# Altium PCB LimeSDR-Micro_1v1.PcbDoc (part 2 of 9) (continued)
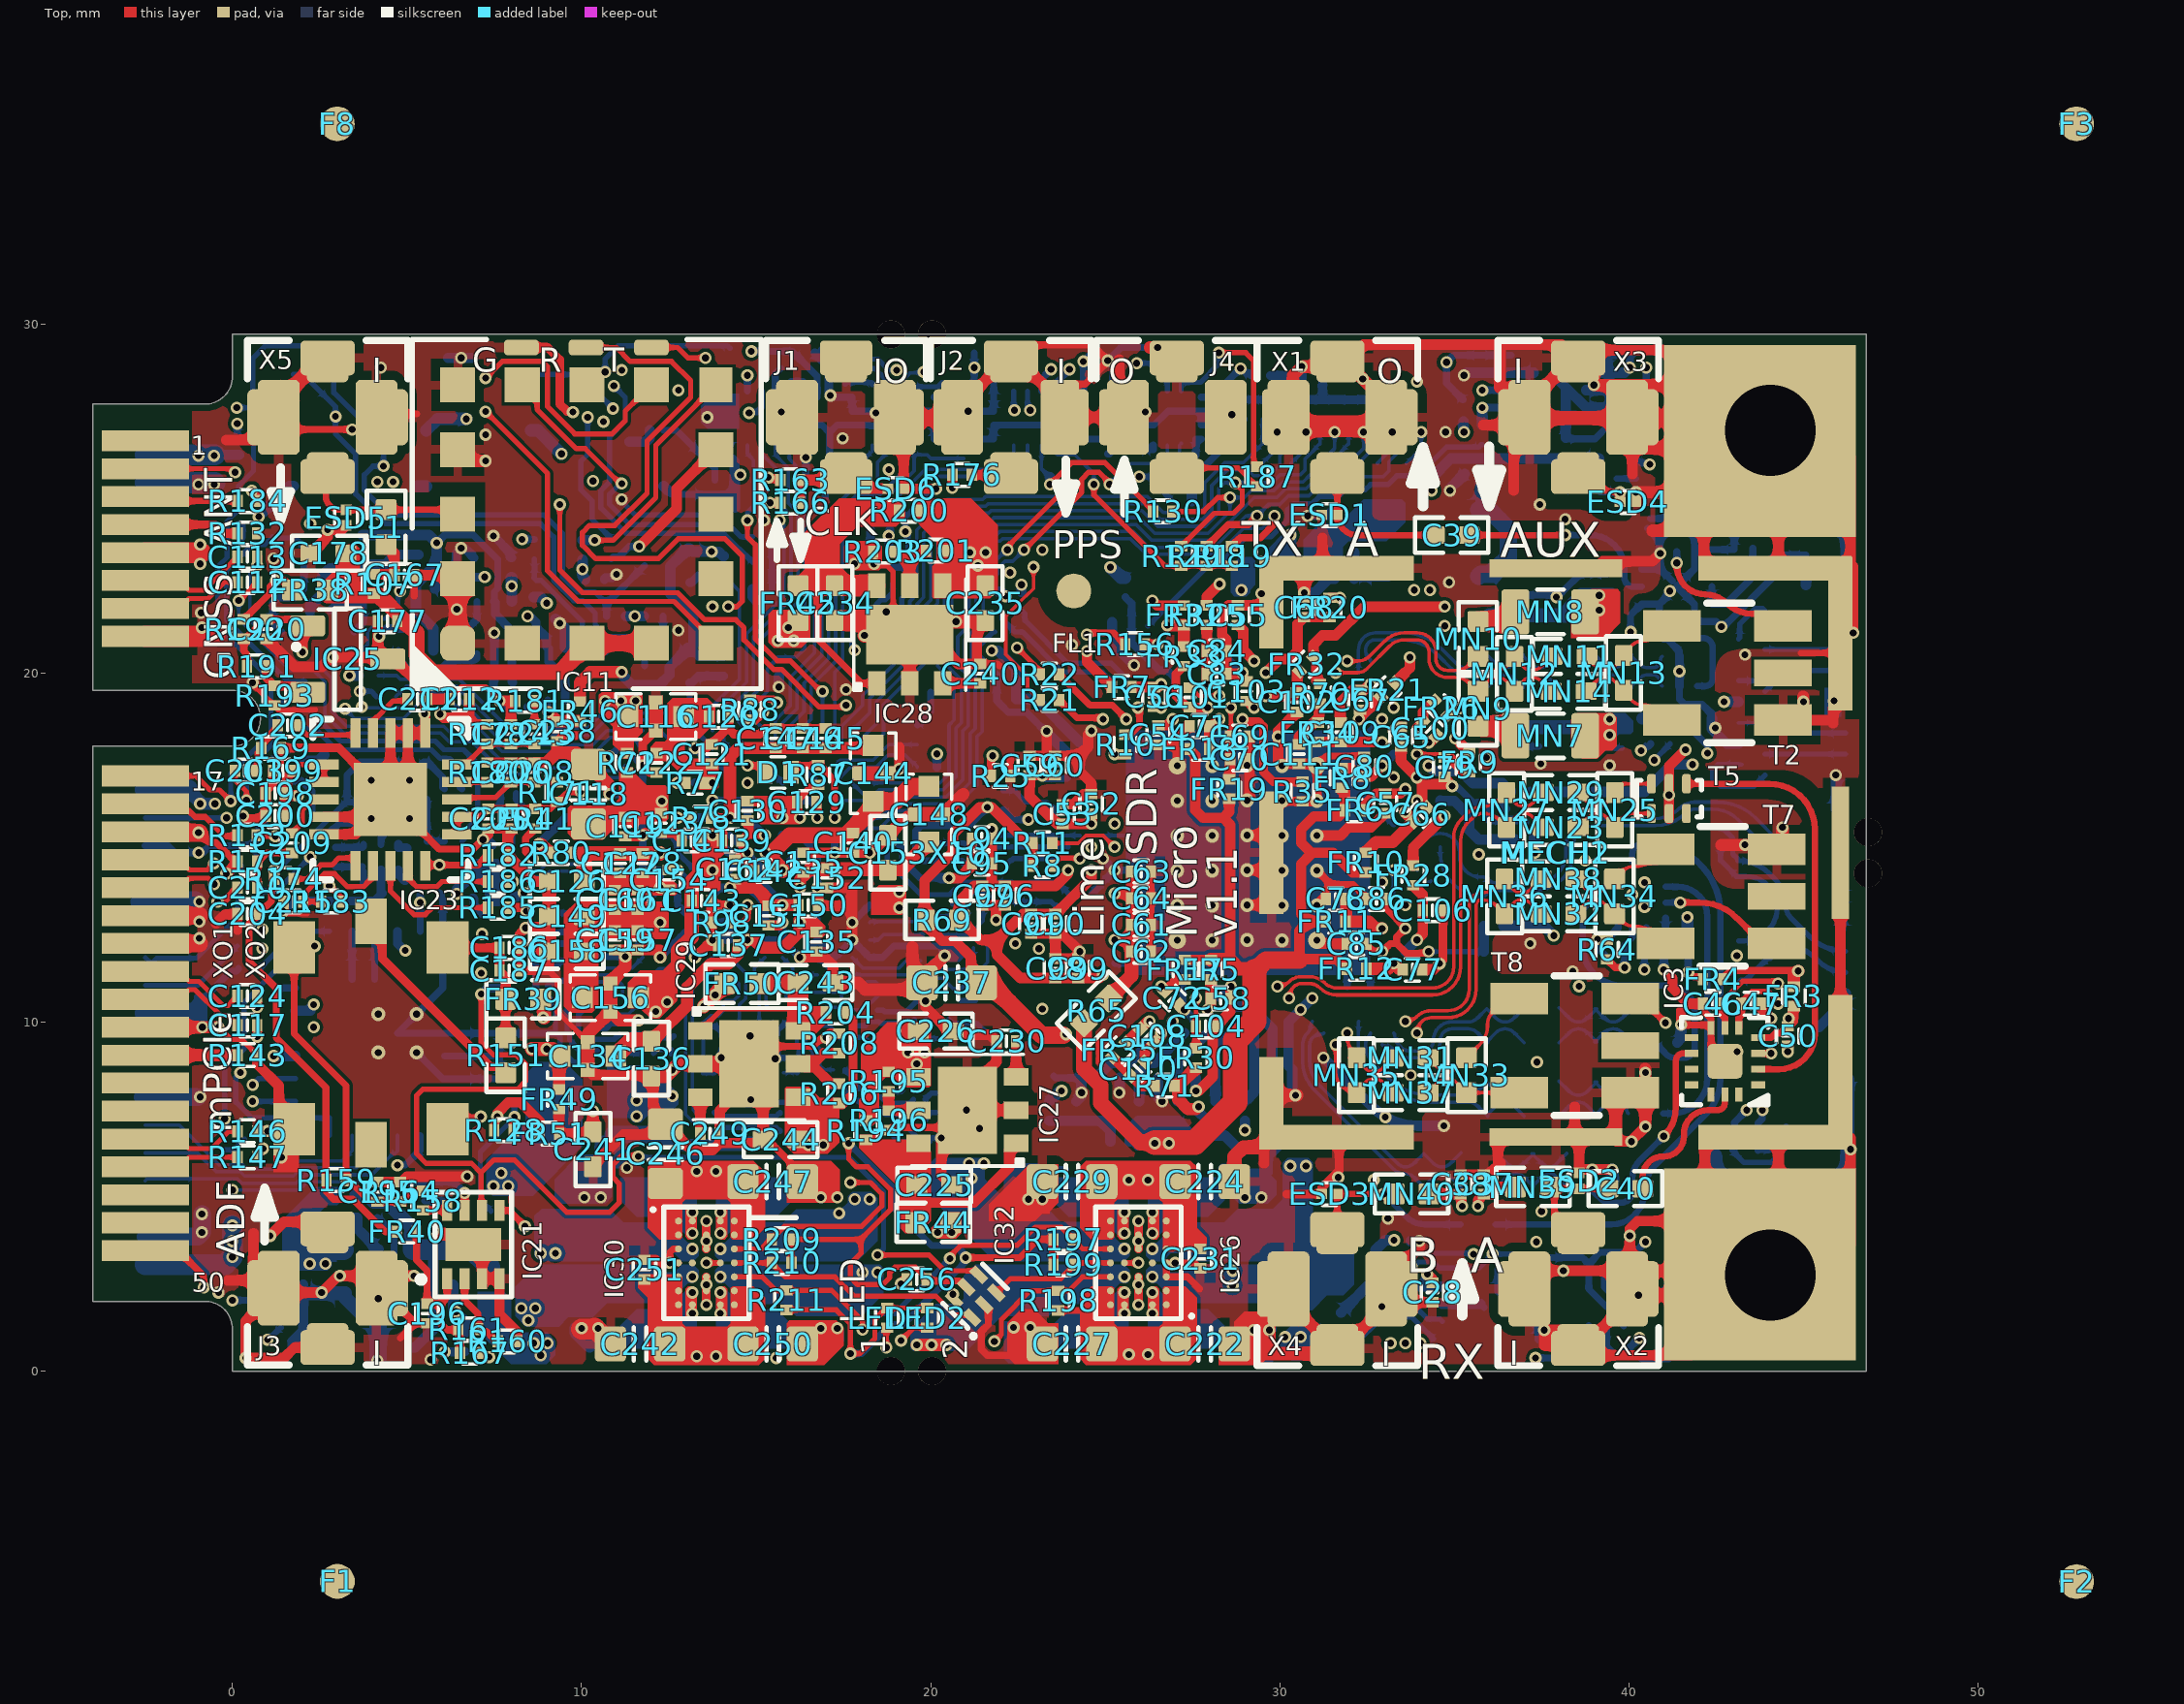
[diagram p0: Top view]
## Part data (continued)
C118 C223 C228 C232 C233 C245 C248 C252 C253: library part Cap_0603, Capacitance=47uF, Case/Package=0603, Case Code (Metric)=1608, Dielectric=X5R, Manufacturer=Murata, Manufacturer Part Number 1=GRM188R60J476ME15D, Max Operating Temperature=85°C, Min Operating Temperature=-55°C, Supplier Part Number 1=490-13247-1-ND, Tolerance=20%, Voltage Rating=6.3V, Case Code (Imperial)=0603, ComponentLink1Description=http://search.murata.co.jp/Ceramy/image/img/A01X/G101/ENG/GRM188R60J476ME15-01.pdf?src-supplier=Digi-Key, ComponentLink1URL=http://search.murata.co.jp/Ceramy/image/img/A01X/G101/ENG/GRM188R60J476ME15-01.pdf?src-supplier=Digi-Key, ComponentLink2Description=https://www.murata.com/~/media/webrenewal/support/library/catalog/products/capacitor/mlcc/c02e.ashx?la=en-us&src-supplier=Digi-Key, ComponentLink2URL=https://www.murata.com/~/media/webrenewal/support/library/catalog/products/capacitor/mlcc/c02e.ashx?la=en-us&src-supplier=Digi-Key, Length=0.063inch, Mount="Surface Mount", Packaging="Tape and Reel", Part Description="47 µF ±20% 6.3V Ceramic Capacitor X5R 0603 (1608 Metric)", Pricing 1="1=0,45000, 10=0,31900, 50=0,24120, 100=0,21000, 500=0,15556, 1000=0,13223 (USD)", RoHS=Yes, RoHS Compliant=Yes, Stock 1=731453, Supplier 1=Digi-Key, Thickness=0.039inch, Voltage Rating (DC)=6.3V, Width=0.031inch
C119 C121 C122 C129 C130 C137 C139 C140 C141 C142 C143 C146 C147 C154 C155 C159 C160 C161 C162: library part Cap_0402, Capacitance=4.7uF, Case/Package=344Case, Dielectric=1537DielectricType, Manufacturer=Murata, Manufacturer Part Number 1=GRM035R60J475ME15J, Max Operating Temperature=85°C, Min Operating Temperature=-55°C, Supplier Part Number 1=490-GRM035R60J475ME15JCT-ND, Tolerance=20%, Voltage Rating=6.3V, ComponentLink1Description=https://datasheet.octopart.com/GRM035R60J475ME15J-Murata-datasheet-165579666.pdf?src-supplier=TME, ComponentLink1URL=https://datasheet.octopart.com/GRM035R60J475ME15J-Murata-datasheet-165579666.pdf?src-supplier=TME, Height=550um, Length=600um, Material=4241ConductorMaterial, Part Description="4.7 µF ±20% 6.3V Ceramic Capacitor X5R 0201 (0603 Metric)", Pricing 1="1=0,28, 10=0,183, 50=0,1154, 100=0,0923, 500=0,06668, 1000=0,05899, 2500=0,05642, 5000=0,05129 (USD)", RoHS=Yes, RoHS Compliant=Yes, Stock 1=92210, Supplier 1=Digi-Key, Thickness=500um, Voltage Rating (DC)=6.3V, Width=300um
C120 C135 C145 C152 C157: library part Cap_0402, Capacitance=2.2uF, Case/Package=0201, Case Code (Metric)=0603, Dielectric=X5R, Manufacturer=Murata, Manufacturer Part Number 1=GRM033R60J225ME47D, Max Operating Temperature=85°C, Min Operating Temperature=-55°C, Supplier Part Number 1=490-13225-1-ND, Tolerance=20%, Voltage Rating=6.3V, Case Code (Imperial)=0201, ComponentLink1Description=https://datasheet.octopart.com/GRM033R60J225ME47D-Murata-datasheet-96971104.pdf?src-supplier=Future+Electronics, ComponentLink1URL=https://datasheet.octopart.com/GRM033R60J225ME47D-Murata-datasheet-96971104.pdf?src-supplier=Future+Electronics, ComponentLink2Description=http://search.murata.co.jp/Ceramy/image/img/A01X/G101/ENG/GRM033R60J225ME47-01.pdf?src-supplier=Digi-Key, ComponentLink2URL=http://search.murata.co.jp/Ceramy/image/img/A01X/G101/ENG/GRM033R60J225ME47-01.pdf?src-supplier=Digi-Key, ComponentLink3Description=https://datasheet.octopart.com/GRM033R60J225ME47D-Murata-datasheet-165579666.pdf?src-supplier=TME, ComponentLink3URL=https://datasheet.octopart.com/GRM033R60J225ME47D-Murata-datasheet-165579666.pdf?src-supplier=TME, Height=390um, Length=0.024inch, Material=Ceramic, Mount="Surface Mount", Packaging="Cut Tape", Part Description="CAP CER 2.2UF 6.3V X5R 0201", Pricing 1="1=0,19, 10=0,121, 50=0,0764, 100=0,0612, 500=0,04418, 1000=0,03909, 2500=0,03739, 5000=0,03399 (USD)", RoHS=Yes, RoHS Compliant=Yes, Series=GRM, Stock 1=8554536, Supplier 1=Digi-Key, Thickness=0.015inch, Voltage Rating (DC)=6.3V, Width=0.012inch
C123: library part Cap_0402, Manufacturer=Murata, Manufacturer Part Number 1=GRM033R71C332KA88D, Supplier Part Number 1=490-3191-1-ND, ComponentLink1Description=https://datasheet.ciiva.com/18699/grm033r61c333ke84-01-18699265.pdf?src-supplier=Digi-Key, ComponentLink1URL=https://datasheet.ciiva.com/18699/grm033r61c333ke84-01-18699265.pdf?src-supplier=Digi-Key, ComponentLink2Description=https://datasheet.ciiva.com/24223/c02e-24223974.pdf?src-supplier=Mouser, ComponentLink2URL=https://datasheet.ciiva.com/24223/c02e-24223974.pdf?src-supplier=Mouser, ComponentLink3Description=https://datasheet.ciiva.com/18184/getdatasheetpartid-467171-18184093.pdf?src-supplier=Verical, ComponentLink3URL=https://datasheet.ciiva.com/18184/getdatasheetpartid-467171-18184093.pdf?src-supplier=Verical, ComponentLink4Description=https://datasheet.ciiva.com/129/grm033r71c332ka88-01-129900.pdf?src-supplier=Digikey, ComponentLink4URL=https://datasheet.ciiva.com/129/grm033r71c332ka88-01-129900.pdf?src-supplier=Digikey, ComponentLink5Description=https://datasheet.ciiva.com/25788/cl03a104mp3nnnc-25788272.pdf?src-supplier=Digi-Key, ComponentLink5URL=https://datasheet.ciiva.com/25788/cl03a104mp3nnnc-25788272.pdf?src-supplier=Digi-Key, ComponentLink6Description=https://datasheet.ciiva.com/129/grm033r71c332ka88-01-129901.pdf?src-supplier=Digikey, ComponentLink6URL=https://datasheet.ciiva.com/129/grm033r71c332ka88-01-129901.pdf?src-supplier=Digikey, ComponentLink7Description=https://datasheet.ciiva.com/129/grm033r71c332ka88-01-129902.pdf?src-supplier=Digikey, ComponentLink7URL=https://datasheet.ciiva.com/129/grm033r71c332ka88-01-129902.pdf?src-supplier=Digikey, ComponentLink8Description=https://datasheet.ciiva.com/11620/product-11620449.pdf?src-supplier=Avnet, ComponentLink8URL=https://datasheet.ciiva.com/11620/product-11620449.pdf?src-supplier=Avnet, Lead Free=5697LeadFree, Part Description="3300 pF ±10% 16V Ceramic Capacitor X7R 0201 (0603 Metric)", Pricing 1="1=0,1, 10=0,02, 50=0,0118, 100=0,0091, 500=0,00684, 1000=0,00538, 2500=0,00489, 5000=0,0045 (USD)", RoHS=Yes, Stock 1=176450, Supplier 1=Digikey
C126 C136 C149 C153 C158: library part Cap_0603, Manufacturer=Murata, Manufacturer Part Number 1=GRM155R61A106ME11D, Supplier Part Number 1=490-GRM155R61A106ME11DCT-ND, ComponentLink1Description=http://search.murata.co.jp/Ceramy/image/img/A01X/G101/ENG/GRM188R61C106MAAL-01.pdf?src-supplier=Digi-Key, ComponentLink1URL=http://search.murata.co.jp/Ceramy/image/img/A01X/G101/ENG/GRM188R61C106MAAL-01.pdf?src-supplier=Digi-Key, ComponentLink2Description=https://search.murata.co.jp/Ceramy/image/img/A01X/G101/ENG/GRM188R61C106MAAL-01.pdf?src-supplier=Digi-Key, ComponentLink2URL=https://search.murata.co.jp/Ceramy/image/img/A01X/G101/ENG/GRM188R61C106MAAL-01.pdf?src-supplier=Digi-Key, ComponentLink3Description=http://search.murata.co.jp/Ceramy/image/img/A01X/partnumbering_e_01.pdf?src-supplier=Digi-Key, ComponentLink3URL=http://search.murata.co.jp/Ceramy/image/img/A01X/partnumbering_e_01.pdf?src-supplier=Digi-Key, ComponentLink4Description=http://www.farnell.com/datasheets/1872210.pdf?src-supplier=Farnell, ComponentLink4URL=http://www.farnell.com/datasheets/1872210.pdf?src-supplier=Farnell, ComponentLink5Description=http://www.mouser.com/ds/2/281/c02e-2905.pdf?src-supplier=Mouser, ComponentLink5URL=http://www.mouser.com/ds/2/281/c02e-2905.pdf?src-supplier=Mouser, ComponentLink6Description=http://www.farnell.com/datasheets/1872210.pdf?src-supplier=Newark, ComponentLink6URL=http://www.farnell.com/datasheets/1872210.pdf?src-supplier=Newark, ComponentLink7Description=http://www.farnell.com/datasheets/2048014.pdf?src-supplier=Element14, ComponentLink7URL=http://www.farnell.com/datasheets/2048014.pdf?src-supplier=Element14, ComponentLink8Description=http://www.farnell.com/datasheets/1872210.pdf?src-supplier=Element14, ComponentLink8URL=http://www.farnell.com/datasheets/1872210.pdf?src-supplier=Element14, ComponentLink9Description=http://search.murata.co.jp/Ceramy/image/img/A01X/G101/ENG/GRM188R61A106ME69-01.pdf?src-supplier=Digi-Key, ComponentLink9URL=http://search.murata.co.jp/Ceramy/image/img/A01X/G101/ENG/GRM188R61A106ME69-01.pdf?src-supplier=Digi-Key, ComponentLink10Description=https://datasheet.octopart.com/GRM155R61A106ME11D-Murata-datasheet-155239053.pdf?src-supplier=Element14, ComponentLink10URL=https://datasheet.octopart.com/GRM155R61A106ME11D-Murata-datasheet-155239053.pdf?src-supplier=Element14, ComponentLink11Description=https://datasheet.octopart.com/GRM155R61A106ME11D-Murata-datasheet-165579666.pdf?src-supplier=TME, ComponentLink11URL=https://datasheet.octopart.com/GRM155R61A106ME11D-Murata-datasheet-165579666.pdf?src-supplier=TME, Part Description="10 µF ±20% 10V Ceramic Capacitor X5R 0402 (1005 Metric)", Pricing 1="1=0,13, 10=0,091, 50=0,054, 100=0,0425, 500=0,03142, 1000=0,02601, 2500=0,0242, 5000=0,02214 (USD)", RoHS=Yes, RoHS Compliant=Yes, Stock 1=185401, Supplier 1=Digi-Key
C178 C216 C217 C225 C226 C234 C235 C236 C241 C243 C244: library part Cap_0402, Capacitance=4.7µF, Manufacturer="Murata Electronics North America", Manufacturer Part Number 1=GRM155R60J475ME87D, Operating Temperature="-55°C ~ 85°C", Package / Case="0402 (1005 Metric)", Ratings=-, Supplier Part Number 1=490-5408-1-ND, Temperature Coefficient=X5R, Tolerance=±20%, Voltage - Rated=6.3V, Applications="General Purpose", Category=Capacitors, Features="Derating Recommended", Height - Seated (Max)=-, Lead Spacing=-, Lead Style=-, Mounting Type="Surface Mount, MLCC", Packaging="Cut Tape (CT)", Part Description="4.7µF ±20% 6.3V X5R Ceramic Capacitor -55°C ~ 85°C Surface Mount, MLCC 0402 (1005 Metric) 0.039\" L x 0.020\" W (1.00mm x 0.50mm)", RoHS="RoHS Compliant", Size / Dimension="0.039\" L x 0.020\" W (1.00mm x 0.50mm)", Supplier 1=Digi-Key, Thickness (Max)="0.022\" (0.55mm)"
C193: library part Cap_0402, Case/Package=0201, Case Code (Metric)=0603, Manufacturer=Yageo, Manufacturer Part Number 1=RC0201JR-070RL, Max Operating Temperature=125°C, Max Power Dissipation=50mW, Min Operating Temperature=-55°C, Package Quantity=1, Resistance Tolerance=5%, Resistor Type="Thick Film", Supplier Part Number 1=311-0.0NCT-ND, Voltage Rating=25V, Case Code (Imperial)=0201, ComponentLink1Description=http://www.yageo.com/documents/recent/PYu-RC_Group_51_RoHS_L_7.pdf, ComponentLink1URL=http://www.yageo.com/documents/recent/PYu-RC_Group_51_RoHS_L_7.pdf, ComponentLink2Description=https://datasheet.ciiva.com/7672/1563626-7672248.pdf?src-supplier=Element14, ComponentLink2URL=https://datasheet.ciiva.com/7672/1563626-7672248.pdf?src-supplier=Element14, ComponentLink3Description=https://datasheet.ciiva.com/7672/1563626-7672247.pdf?src-supplier=Element14, ComponentLink3URL=https://datasheet.ciiva.com/7672/1563626-7672247.pdf?src-supplier=Element14, ComponentLink4Description=https://datasheet.ciiva.com/7660/1421516-7660808.pdf?src-supplier=Element14, ComponentLink4URL=https://datasheet.ciiva.com/7660/1421516-7660808.pdf?src-supplier=Element14, ComponentLink5Description=https://datasheet.ciiva.com/46391/1421516-46391340.pdf?src-supplier=Element14, ComponentLink5URL=https://datasheet.ciiva.com/46391/1421516-46391340.pdf?src-supplier=Element14, Construction=Rectangular, Contact Plating=Tin,Matte, Depth=0.3mm, Features="Moisture Resistant", Height=0.01inch, Lead Free="Lead Free", Length=0.024inch, Military Standard=Not, Number of Terminations=2, Packaging="Tape and Reel", Part Description="0 Ohms Jumper Chip Resistor 0201 (0603 Metric) Moisture Resistant Thick Film", Power Rating=50mW, Pricing 1="1=0,10000, 10=0,03700, 25=0,02680, 50=0,02020, 100=0,01500, 250=0,01140, 500=0,00912, 1000=0,00672, 5000=0,00482 (USD)", Radiation Hardening=No, Resistance=0R, RoHS=Yes, RoHS Compliant=Yes, Series=RC, Size Code=0201, Stock 1=6252381, Supplier 1=Digi-Key, Termination=SMD/SMT, Tolerance=5%, Voltage Rating (DC)=25V, Weight=6E-06oz, Width=0.012inch
C218: library part Cap_0402, Capacitance=1, Capacitance Tolerance="± 10%", Ceramic Capacitor Case="0402 [1005 Metric]", Dielectric Characteristic=X6, Manufacturer=TDK, Manufacturer Part Number 1=C1005X5R1E105K050BC, Supplier Part Number 1=445-9066-1-ND, Voltage Rating=10, MSL=-, Part Description="1µF ±10% 10V X5R Ceramic Capacitor -55°C ~ 85°C Surface Mount, MLCC 0402 (1005 Metric) 0.039\" L x 0.020\" W (1.00mm x 0.50mm)", Product Range="TDK - C Series", RoHS=YES, Supplier 1=Digi-Key
C219 C222 C224 C227 C229 C237 C242 C246 C247 C250: library part Cap_0603, Capacitance=10uF, Case/Package=0603, Case Code (Metric)=1608, Dielectric=X5R, Manufacturer=Murata, Manufacturer Part Number 1=GRM188R61A106ME69D, Max Operating Temperature=85°C, Min Operating Temperature=-55°C, Package Quantity=4000, Supplier Part Number 1=490-10475-1-ND, Tolerance=20%, Voltage Rating=10V, Case Code (Imperial)=0603, ComponentLink1Description=http://search.murata.co.jp/Ceramy/image/img/A01X/G101/ENG/GRM188R61C106MAAL-01.pdf?src-supplier=Digi-Key, ComponentLink1URL=http://search.murata.co.jp/Ceramy/image/img/A01X/G101/ENG/GRM188R61C106MAAL-01.pdf?src-supplier=Digi-Key, ComponentLink2Description=https://search.murata.co.jp/Ceramy/image/img/A01X/G101/ENG/GRM188R61C106MAAL-01.pdf?src-supplier=Digi-Key, ComponentLink2URL=https://search.murata.co.jp/Ceramy/image/img/A01X/G101/ENG/GRM188R61C106MAAL-01.pdf?src-supplier=Digi-Key, ComponentLink3Description=http://search.murata.co.jp/Ceramy/image/img/A01X/partnumbering_e_01.pdf?src-supplier=Digi-Key, ComponentLink3URL=http://search.murata.co.jp/Ceramy/image/img/A01X/partnumbering_e_01.pdf?src-supplier=Digi-Key, ComponentLink4Description=http://www.farnell.com/datasheets/1872210.pdf?src-supplier=Farnell, ComponentLink4URL=http://www.farnell.com/datasheets/1872210.pdf?src-supplier=Farnell, ComponentLink5Description=http://www.mouser.com/ds/2/281/c02e-2905.pdf?src-supplier=Mouser, ComponentLink5URL=http://www.mouser.com/ds/2/281/c02e-2905.pdf?src-supplier=Mouser, ComponentLink6Description=http://www.farnell.com/datasheets/1872210.pdf?src-supplier=Newark, ComponentLink6URL=http://www.farnell.com/datasheets/1872210.pdf?src-supplier=Newark, ComponentLink7Description=http://www.farnell.com/datasheets/2048014.pdf?src-supplier=Element14, ComponentLink7URL=http://www.farnell.com/datasheets/2048014.pdf?src-supplier=Element14, ComponentLink8Description=http://www.farnell.com/datasheets/1872210.pdf?src-supplier=Element14, ComponentLink8URL=http://www.farnell.com/datasheets/1872210.pdf?src-supplier=Element14, ComponentLink9Description=http://search.murata.co.jp/Ceramy/image/img/A01X/G101/ENG/GRM188R61A106ME69-01.pdf?src-supplier=Digi-Key, ComponentLink9URL=http://search.murata.co.jp/Ceramy/image/img/A01X/G101/ENG/GRM188R61A106ME69-01.pdf?src-supplier=Digi-Key, Depth=0.8mm, Height=0.8mm, Lead Free="Lead Free", Length=1.6mm, Material=Ceramic, Mount="Surface Mount", Packaging="Tape and Reel", Part Description="10 µF ±20% 10V Ceramic Capacitor X5R 0603 (1608 Metric)", Pricing 1="1=0,16000, 10=0,11200, 50=0,06360, 100=0,05270, 500=0,03696, 1000=0,03060 (USD)", RoHS=Yes, RoHS Compliant=Yes, Series=GRM, Stock 1=820978, Supplier 1=Digi-Key, Termination=SMD/SMT, Thickness=0.035inch, Voltage Rating (DC)=10V, Weight=0.000222oz, Width=0.8mm
D1: library part BAT46JFILM_shottky_diode, Average Rectified Current=100mA, Case/Package=0402, Case Code (Metric)=1006, Manufacturer=MCC, Max Reverse Voltage (DC)=30V, Supplier Part Number 1=RB521S-30L2-TPMSCT-ND, Case Code (Imperial)=0402, ComponentLink1Description=http://www.mccsemi.com/up_pdf/RB521S-30L2(DFN1006-2L)-A.pdf?src-supplier=Digi-Key, ComponentLink1URL=http://www.mccsemi.com/up_pdf/RB521S-30L2(DFN1006-2L)-A.pdf?src-supplier=Digi-Key, Manufacturer Part Number 1=RB521S-30L2-TP, Mount="Surface Mount", Packaging="Cut Tape", Part Description="DIODE SCHOTTKY 30V 100MA 2TDFN", Pricing 1="1=0,24, 10=0,165, 100=0,0805, 500=0,06712, 1000=0,04664, 2000=0,04043, 5000=0,0375 (USD)", RoHS=Yes, RoHS Compliant=Yes, Series=-, Stock 1=268886, Supplier 1=Digi-Key
ESD1 ESD2 ESD3 ESD4 ESD5 ESD6: Capacitance @ Frequency="0.2pF @ 1MHz", Current - Peak Pulse (10/1000µs)="3A (8/20µs)", Manufacturer="ON Semiconductor", Manufacturer Part Number 1=ESD8472MUT5G, Operating Temperature="-55°C ~ 150°C (TJ)", Package / Case=2-XFDFN, Power - Peak Pulse=-, Power Line Protection=No, Supplier Device Package="2-X3DFN (0.62x0.32)", Supplier Part Number 1=ESD8472MUT5GOSCT-ND, Voltage - Breakdown (Min)=7V, Voltage - Clamping (Max) @ Ipp=14V, Voltage - Reverse Standoff (Typ)="5.3V (Max)", Applications="Automotive, RF Antenna", Category="Circuit Protection", ComponentLink1Description=http://www.onsemi.com/pub/Collateral/ESD8472-D.PDF, ComponentLink1URL=http://www.onsemi.com/pub/Collateral/ESD8472-D.PDF, Mounting Type="Surface Mount", Packaging="Cut Tape (CT)", Part Description="TVS DIODE 5.3VWM 14VC X3DFN2", Part Status=Active, Pricing 1="1=0.39, 10=0.315, 100=0.2142, 500=0.16068, 1000=0.12051 (USD)", RoHS="RoHS Compliant", Stock 1=2295, Supplier 1=Digi-Key, Type=Zener
  ESD1 ESD2 ESD3 ESD4 ESD5: Assembly Info=NF
FR1 FR2 FR3 FR4 FR5 FR6 FR7 FR8 FR9 FR10 FR11 FR12 FR13 FR14 FR15 FR16 FR17 FR18 FR19 FR20 FR21 FR22 FR23 FR24 FR25 FR26 FR27 FR28 FR29 FR30 FR31 FR32 FR33 FR34 FR35 FR36 FR37 FR40 FR41 FR46 FR49 FR51: library part Ferrite, Current Rating=270mA, DC Resistance (DCR)="750 mOhm Max", Impedance @ Frequency="600 Ohm @ 100MHz", Manufacturer="Taiyo Yuden", Manufacturer Part Number 1=BK0603TS601-T, Package / Case="0201 (0603 Metric)", Supplier Part Number 1=587-3277-1-ND, Category=Filters, Filter Type="Differential Mode - Single", Height (Max)="0.013\" (0.33mm)", Mounting Type="Surface Mount", Packaging="Cut Tape (CT)", Part Description="FERRITE BEAD 600 OHM 0201 1LN", RoHS="RoHS Compliant", Size / Dimension="0.024\" L x 0.012\" W (0.60mm x 0.30mm)", Supplier 1=Digi-Key
  FR49: Assembly Info=NF
FR38 FR39 FR42 FR44 FR45 FR47 FR48 FR50: library part Ferrite, Current Rating=900mA, DC Resistance (DCR)="220 mOhm Max", Impedance @ Frequency="220 Ohm @ 100MHz", Manufacturer="TDK Corporation", Manufacturer Part Number 1=MPZ1005S221ET000, Package / Case="0402 (1005 Metric)", Supplier Part Number 1=445-9329-2-ND, Category=Filters, Part Description="FERRITE BEAD 220 OHM 0402 1LN", Supplier 1=Digi-Key
FR43: library part Ferrite, Current Rating=2A, DC Resistance (DCR)="100 mOhm Max", Impedance @ Frequency="600 Ohm @ 100MHz", Manufacturer="TDK Corporation", Manufacturer Part Number 1=MPZ2012S601AT000, Package / Case="0805 (2012 Metric)", Supplier Part Number 1=445-2206-2-ND, Category=Filters, Filter Type="Differential Mode - Single", Height (Max)="0.041\" (1.05mm)", Mounting Type="Surface Mount", Packaging="Tape & Reel (TR)", Part Description="FERRITE BEAD 600 OHM 0805 1LN", RoHS="RoHS Compliant", Size / Dimension="0.079\" L x 0.049\" W (2.00mm x 1.25mm)", Supplier 1=Digi-Key
IC1: library part LMS7002Mr4, "Schematic symbol revision 4. Default footprint - 0.31mm pad", Manufacturer="Lime Microsystems", Manufacturer Part Number 1=LMS7002M, Part Description="IC FPRF Transceiver LMS7002M; 261 pin aQFN", Supplier 1="Lime Microsystems", Supplier Part Number 1=LMS7002M
IC2: library part M24128-DFMC6TG, Manufacturer=STMicroelectronics, Operating Temperature="-40°C ~ 85°C (TA)", Package / Case="8-UFDFN Exposed Pad", Supplier Device Package="8-UFDFPN (2x3)", Supplier Part Number 1=497-15739-1-ND, Voltage - Supply="1.7 V ~ 5.5 V", Assembly Info=NF, Category="Integrated Circuits (ICs)", ComponentLink1Description=http://www.st.com/content/ccc/resource/technical/document/datasheet/59/05/c9/5b/7b/41/48/b6/CD00259167.pdf/files/CD00259167.pdf/jcr:content/translations/en.CD00259167.pdf, ComponentLink1URL=http://www.st.com/content/ccc/resource/technical/document/datasheet/59/05/c9/5b/7b/41/48/b6/CD00259167.pdf/files/CD00259167.pdf/jcr:content/translations/en.CD00259167.pdf, Manufacturer Part Number 1=M24128-DFMC6TG, Memory Format=EEPROM, Memory Interface=I²C, Memory Size="128Kb (16K x 8)", Memory Type=Non-Volatile, Mounting Type="Surface Mount", Packaging="Cut Tape (CT)", Part Description="EEPROM Memory IC 128Kb (16K x 8) I²C 1MHz 450ns 8-UFDFPN (2x3)", Part Status=Active, Pricing 1="1=0.35, 10=0.348, 100=0.2854, 500=0.27748, 1000=0.27004 (USD)", RoHS="RoHS Compliant", Stock 1=5894, Supplier 1=Digi-Key, Technology=EEPROM, Write Cycle Time - Word, Page=5ms
IC3 IC4: library part SKY13414-485LF_RF_SW, Case/Package=QFN, Manufacturer="Skyworks Solutions", Max Operating Temperature=85°C, Min Operating Temperature=-40°C, Package Quantity=3000, Supplier Part Number 1=863-1582-1-ND, ComponentLink1Description=https://datasheet.ciiva.com/15309/sky13414-485lf-201689g-231640-15309794.pdf?src-supplier=Mouser, ComponentLink1URL=https://datasheet.ciiva.com/15309/sky13414-485lf-201689g-231640-15309794.pdf?src-supplier=Mouser, IIP3=70dBm, Impedance=50R, Manufacturer Part Number 1=SKY13414-485LF, P1dB=37dBm, Packaging="Tape and Reel", Part Description="RF Switch IC General Purpose SP4T 3 GHz 50Ohm 14-QFN (2x2)", Pricing 1="1=1,35000, 10=1,20700, 25=1,14520, 100=0,94070, 250=0,87936, 500=0,77710, 1000=0,61350 (USD)", RoHS=Yes, RoHS Compliant=Yes, Stock 1=43522, Supplier 1=Digi-Key, Throw Configuration=SP4T
IC5: library part SKY13330-397LF_RF_SW, Case/Package=QFN, Frequency=100MHz, Manufacturer="Skyworks Solutions", Max Frequency=6GHz, Max Operating Temperature=85°C, Min Operating Temperature=-40°C, Package Quantity=3000, Supplier Part Number 1=863-1643-1-ND, ComponentLink1Description=https://datasheet.ciiva.com/15100/getdatasheetpartid-656010-15100460.pdf?src-supplier=Verical, ComponentLink1URL=https://datasheet.ciiva.com/15100/getdatasheetpartid-656010-15100460.pdf?src-supplier=Verical, Contact Plating=Tin,Matte, Impedance=50R, Insertion Loss=0.65dB, Manufacturer Part Number 1=SKY13330-397LF, Mount="Surface Mount", Number of Pins=12, P1dB=39dBm, Packaging="Tape and Reel", Part Description="RF Switch IC W-CDMA SPDT 6 GHz 50Ohm 12-QFN (2x2)", Pricing 1="1=0,99000, 10=0,88800, 25=0,84280, 100=0,69230, 250=0,64716, 500=0,57190, 1000=0,45150 (USD)", Radiation Hardening=No, RoHS=Yes, Stock 1=596826, Supplier 1=Digi-Key, Throw Configuration=SPDT, Turn-Off Delay Time=1.6us, Turn-On Delay Time=1.6us, Weight=0.000776oz
IC6: Manufacturer="NXP Semiconductors", Manufacturer Part Number 1=LA9310X7S11AA, Part Description="LFBGA157, low profile, fine-pitch ball grid array package, 157 terminals, 0.5 mm pitch, 8 mm x 8 mm x 1.25 mm body.", Supplier 1="NXP Semiconductors", Supplier Part Number 1=LA9310X7S11AA
IC7: Driver Case Style=SOT-23, Manufacturer="TEXAS INSTRUMENTS", Manufacturer Part Number 1=SN65LVDS1DBVR, Supplier Part Number 1=76C0715, Supply Voltage Max=3.6, Supply Voltage Min=2.4, No. of Pins=5, Part Description="DIFFERENTIAL LINE DRIVER/RECEIVER SIGNAL SOT23-5", Supplier 1=Newark
IC8 IC10 IC12 IC13: Manufacturer="Texas Instruments", Manufacturer Part Number 1=SN74AVC4T774RSVR, Operating Temperature="-40°C ~ 85°C", Package / Case=16-UFQFN, Supplier Device Package="16-UQFN (2.6x1.8)", Supplier Part Number 1=296-24741-6-ND, Voltage - Supply="1.2 V ~ 3.6 V", Category="Integrated Circuits (ICs)", Data Rate=380Mbps, Differential - Input:Output=No/No, Input Type=Logic, Logic Function="Translator, Bidirectional, 3-State", Mounting Type="Surface Mount", Number of Bits=4, Number of Channels=4, Number of Outputs/Channel=1, Output Type=Logic, Packaging=Digi-Reel®, Part Description="Voltage Level Translator Bidirectional 1 Circuit 4 Channel 380Mbps 16-UQFN (2.6x1.8)", Propagation Delay (Max)=2.4ns, RoHS="RoHS Compliant", Supplier 1=Digi-Key
IC9: library part TMP1075NDRLR_temperature_sensor, Manufacturer="Texas Instruments", Supplier Part Number 1=296-TMP1075NDRLRCT-ND, Manufacturer Part Number 1=TMP1075NDRLR, Part Description="Temperature Sensor Digital, Local -40°C ~ 125°C 12 b SOT-563", Pricing 1="1=0,67000, 5=0,63800, 10=0,55500, 25=0,48760, 50=0,40500, 100=0,34500, 500=0,30000, 1000=0,26250 (USD)", RoHS=No, RoHS Compliant=Yes, Stock 1=3405, Supplier 1=Digi-Key
IC11: library part M10578-A3_GPS_GNSS, Current - Receiving=28mA, Frequency=1.575GHz, Manufacturer=Antenova, Manufacturer Part Number 1=M10578-A3, Operating Temperature="-40°C ~ 85°C", Package / Case=Module, Supplier Part Number 1=627-1074-1-ND, Voltage - Supply=3.3V, Antenna Connector=-, Applications="General Purpose", Category="RF/IF and RFID", ComponentLink1Description=http://www.antenova-m2m.com/wp-content/uploads/2015/12/GPS_Radionova_M10578-A3-PS-1.0.pdf, ComponentLink1URL=http://www.antenova-m2m.com/wp-content/uploads/2015/12/GPS_Radionova_M10578-A3-PS-1.0.pdf, Data Interface=UART, Data Rate (Max)=-, Features=-, Memory Size=-, Modulation or Protocol=GPS, Packaging="Cut Tape (CT)", Part Description="RADIONOVA RF Receiver GPS 1.575GHz -165dBm Module", Part Status=Active, Pricing 1="1=17.75, 10=16.061, 25=14.7928, 100=13.5248, 250=12.67952, 500=11.8342 (USD)", RoHS="RoHS Compliant", Sensitivity=-165dBm, Stock 1=0, Supplier 1=Digi-Key, Supplier Device Package=Module
IC14: library part M24128-DFMC6TG, Manufacturer=STMicroelectronics, Manufacturer Part Number 1=M24512-DFMC6TG, Supplier Part Number 1=497-15745-1-ND, ComponentLink1Description=http://www.st.com/content/ccc/resource/technical/document/datasheet/59/05/c9/5b/7b/41/48/b6/CD00259167.pdf/files/CD00259167.pdf/jcr:content/translations/en.CD00259167.pdf, ComponentLink1URL=http://www.st.com/content/ccc/resource/technical/document/datasheet/59/05/c9/5b/7b/41/48/b6/CD00259167.pdf/files/CD00259167.pdf/jcr:content/translations/en.CD00259167.pdf, ComponentLink2Description=https://datasheet.ciiva.com/29611/cd00251873-29611552.pdf?src-supplier=Digi-Key, ComponentLink2URL=https://datasheet.ciiva.com/29611/cd00251873-29611552.pdf?src-supplier=Digi-Key, Part Description="IC EEPROM 512KBIT I2C 8UFDFPN", Pricing 1="1=1,03, 10=0,935, 25=0,9232, 50=0,9178, 100=0,8206, 250=0,81368, 500=0,80166, 1000=0,77298 (USD)", RoHS=Yes, Stock 1=12789, Supplier 1=Digi-Key
IC15: library part MCP23017-E/ML_I2C_expander, Manufacturer=Microchip, Supplier Part Number 1=MCP23017-E/ML-ND, ComponentLink1Description=https://datasheet.ciiva.com/1496/12179-1496011.pdf?src-supplier=Element14, ComponentLink1URL=https://datasheet.ciiva.com/1496/12179-1496011.pdf?src-supplier=Element14, ComponentLink2Description=https://datasheet.ciiva.com/1780/21952b-1780121.pdf?src-supplier=Digi-Key, ComponentLink2URL=https://datasheet.ciiva.com/1780/21952b-1780121.pdf?src-supplier=Digi-Key, ComponentLink3Description=https://datasheet.ciiva.com/3149/21952b-3149158.pdf?src-supplier=Avnet, ComponentLink3URL=https://datasheet.ciiva.com/3149/21952b-3149158.pdf?src-supplier=Avnet, ComponentLink4Description=https://datasheet.ciiva.com/16222/filehandler-aspxddocname-en023709-16222331.pdf?src-supplier=Future+Electronics, ComponentLink4URL=https://datasheet.ciiva.com/16222/filehandler-aspxddocname-en023709-16222331.pdf?src-supplier=Future+Electronics, Manufacturer Part Number 1=MCP23017-E/ML, Part Description="I/O Expander 16 I²C 1.7 MHz 28-QFN (6x6)", Pricing 1="1=1,9, 25=1,59, 100=1,44 (USD)", RoHS=Yes, Stock 1=3965, Supplier 1=Digi-Key
IC16 IC17 IC18 IC20: library part SN74AVC1T45DRLR_lvl_translator, Manufacturer="Texas Instruments", Supplier Part Number 1=296-21022-1-ND, ComponentLink1Description=https://datasheet.ciiva.com/1629/sn74avc1t45-1629536.pdf?src-supplier=Newark, ComponentLink1URL=https://datasheet.ciiva.com/1629/sn74avc1t45-1629536.pdf?src-supplier=Newark, ComponentLink2Description=https://datasheet.ciiva.com/15086/getdatasheetpartid-223729-15086386.pdf?src-supplier=Verical, ComponentLink2URL=https://datasheet.ciiva.com/15086/getdatasheetpartid-223729-15086386.pdf?src-supplier=Verical, ComponentLink3Description=https://datasheet.ciiva.com/14287/sn74avc1t45-14287328.pdf?src-supplier=Avnet, ComponentLink3URL=https://datasheet.ciiva.com/14287/sn74avc1t45-14287328.pdf?src-supplier=Avnet, ComponentLink4Description=https://datasheet.ciiva.com/22729/1862374-22729941.pdf?src-supplier=Element14, ComponentLink4URL=https://datasheet.ciiva.com/22729/1862374-22729941.pdf?src-supplier=Element14, ComponentLink5Description=https://datasheet.ciiva.com/46385/1887534-46385799.pdf?src-supplier=Element14, ComponentLink5URL=https://datasheet.ciiva.com/46385/1887534-46385799.pdf?src-supplier=Element14, ComponentLink6Description=https://datasheet.ciiva.com/14287/sn74avc1t45-14287479.pdf?src-supplier=Avnet, ComponentLink6URL=https://datasheet.ciiva.com/14287/sn74avc1t45-14287479.pdf?src-supplier=Avnet, ComponentLink7Description=https://datasheet.ciiva.com/1899/sn74avc1t45-1899278.pdf?src-supplier=Digi-Key, ComponentLink7URL=https://datasheet.ciiva.com/1899/sn74avc1t45-1899278.pdf?src-supplier=Digi-Key, ComponentLink8Description=https://datasheet.ciiva.com/1899/sn74avc1t45-1899279.pdf?src-supplier=Digi-Key, ComponentLink8URL=https://datasheet.ciiva.com/1899/sn74avc1t45-1899279.pdf?src-supplier=Digi-Key, ComponentLink9Description=https://datasheet.ciiva.com/1899/sn74avc1t45-1899280.pdf?src-supplier=Digi-Key, ComponentLink9URL=https://datasheet.ciiva.com/1899/sn74avc1t45-1899280.pdf?src-supplier=Digi-Key, Height=600um, Length=1.6mm, Manufacturer Part Number 1=SN74AVC1T45DRLR, Part Description="Voltage Level Translator Bidirectional 1 Circuit 1 Channel 500Mbps SOT-5X3", Pricing 1="1=0,68, 10=0,6, 25=0,5636, 100=0,46, 250=0,42724, 500=0,3636, 1000=0,29088 (USD)", RoHS=Yes, Stock 1=46610, Supplier 1=Digi-Key, Thickness=550um, Width=1.2mm
  IC18 IC20: Assembly Info=NF
IC19 IC22 IC32: library part 74LVC1G3157FZ4_SPDT_SW, Manufacturer=Diodes, Manufacturer Part Number 1=74LVC1G3157FZ4-7, Max Operating Temperature=125°C, Min Operating Temperature=-40°C, On-State Resistance=10R, Supplier Part Number 1=74LVC1G3157FZ4-7DICT-ND, -3db Bandwidth=300MHz, ComponentLink1Description=https://www.diodes.com/assets/Datasheets/74LVC1G3157.pdf?src-supplier=Digi-Key, ComponentLink1URL=https://www.diodes.com/assets/Datasheets/74LVC1G3157.pdf?src-supplier=Digi-Key, ComponentLink2Description=https://www.diodes.com/assets/product-showcases/74LVC3157-NPA-0516.pdf?src-supplier=Digi-Key, ComponentLink2URL=https://www.diodes.com/assets/product-showcases/74LVC3157-NPA-0516.pdf?src-supplier=Digi-Key, Number of Circuits=1, Number of Pins=6, Packaging="Tape and Reel", Part Description="1 Circuit IC Switch 2:1 10Ohm X2-DFN1410-6", Pricing 1="1=0,42000, 10=0,31200, 25=0,27320, 100=0,17670, 250=0,14628, 500=0,11702, 1000=0,08972, 2500=0,07802 (USD)", RoHS=Yes, RoHS Compliant=Yes, Stock 1=158709, Supplier 1=Digi-Key
IC21: library part AD5693RACPZ-1RL7_DAC, Manufacturer="Analog Devices", Manufacturer Part Number 1=AD5693RACPZ-1RL7, Max Input Voltage=5.5V, Max Operating Temperature=105°C, Min Operating Temperature=-40°C, Min Output Voltage=0uV, Supplier Part Number 1=584-AD5693RACPZ-1RL7, ComponentLink1Description=http://www.mouser.com/ds/2/609/AD5693R_5692R_5691R_5693-534178.pdf?src-supplier=Mouser, ComponentLink1URL=http://www.mouser.com/ds/2/609/AD5693R_5692R_5691R_5693-534178.pdf?src-supplier=Mouser, ComponentLink2Description=https://www.analog.com/media/en/technical-documentation/data-sheets/AD5693R_5692R_5691R_5693.pdf?src-supplier=Digi-Key, ComponentLink2URL=https://www.analog.com/media/en/technical-documentation/data-sheets/AD5693R_5692R_5691R_5693.pdf?src-supplier=Digi-Key, ComponentLink3Description=http://www.analog.com/static/imported-files/data_sheets/AD5693R_5692R_5691R.pdf?src-supplier=Avnet, ComponentLink3URL=http://www.analog.com/static/imported-files/data_sheets/AD5693R_5692R_5691R.pdf?src-supplier=Avnet, ComponentLink4Description=http://www.analog.com/media/en/technical-documentation/data-sheets/AD5693R_5692R_5691R_5693.pdf?src-supplier=Digi-Key, ComponentLink4URL=http://www.analog.com/media/en/technical-documentation/data-sheets/AD5693R_5692R_5691R_5693.pdf?src-supplier=Digi-Key, Integral Nonlinearity (INL)=8LSB, Lead Free="Contains Lead", Max Output Voltage=5.5V, Max Supply Voltage=5.5V, Mount="Surface Mount", Number of DAC Channels=1, Number of Pins=8, Output Type=Voltage, Part Description="Digital to Analog Converters - DAC 16-BIT 12C nanoDAC+ with on-chip ref", Polarity=Unipolar, Pricing 1="1=8,56000, 10=7,73000, 50=7,36000, 100=6,40000, 1000=5,08000, 10000=5,08000 (USD)", Resolution=16b, RoHS=Yes, RoHS Compliant=Yes, Settling Time=5us, Signal to Noise Ratio (SNR)=90dB, Slew Rate=0.7V/µs, Stock 1=4949, Supplier 1=Mouser